# Altium PCB 5607-2.PcbDoc (part 2 of 6) (continued)
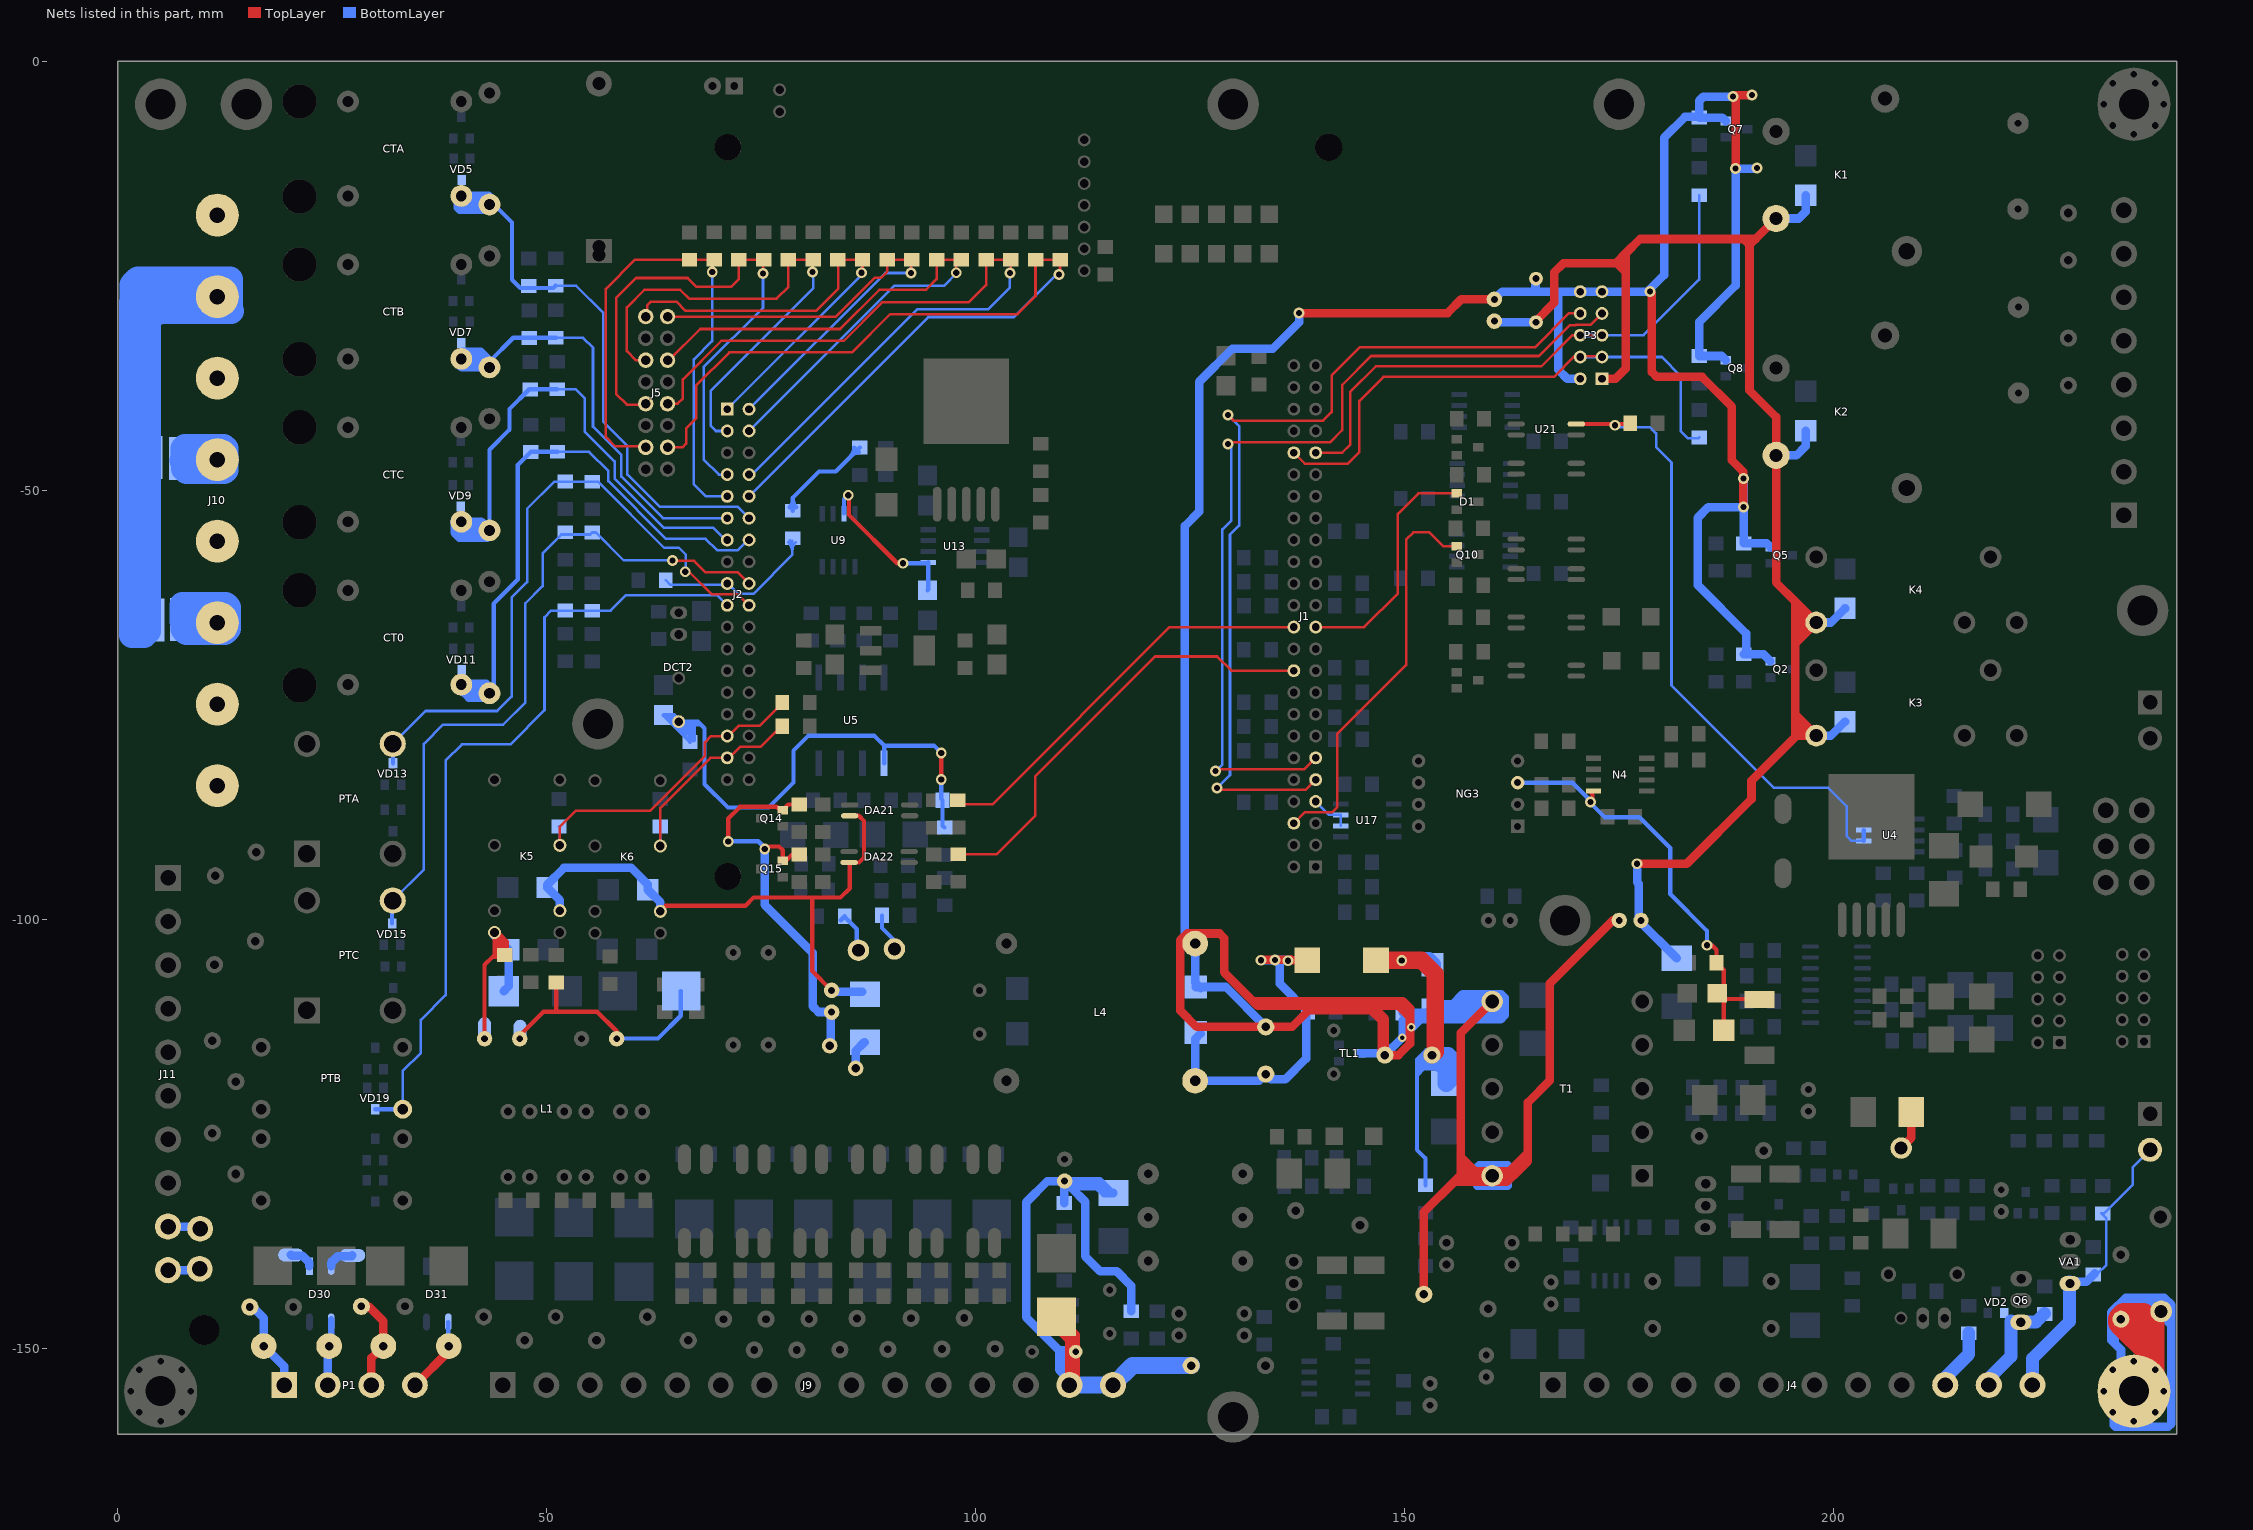
[diagram p2: the nets of this part, all layers, seen from the top]
## Nets (pads, with @x,y where several pads share a name; then routed paths per layer and width w, separated by ;. In a path a pad name is that pad's centre, name@x,y a point inside that pad or via, vN(x,y) a via of type N, cw(c..) or ccw(c..) an arc to the next point about the centre after c; other vN are vias at no path point) (continued)
  BottomLayer w1: C34.1@160.452,-30.277 160.579,-30.404 C8.1@165.303,-30.404 ; v1@177.114,-93.65 177.114,-95.682 177.267,-95.834 177.267,-100.095 D14.2@181.712,-104.54 ; K2.3@193.294,-45.923 195.656,-45.923 196.723,-44.857 D27.2@196.723,-43.042 ; K1.3@193.294,-18.313 195.936,-18.313 196.723,-17.526 D26.2@196.723,-15.584 ; K3.4@197.968,-78.588 199.683,-78.588 D19.2@201.32,-76.951 ; K4.4@197.968,-65.405 199.683,-65.405 D29.2@201.32,-63.768
485_TEN: R83.1 U4.2 U4.3 U21.4 | length 75.3
  TopLayer w0.3: v1@174.066,-42.317 v1@174.193,-42.443 ; R83.1@176.022,-42.418 R83.1@176.276,-42.164
  TopLayer w0.5: U21.4@169.997,-42.266 R83.1@176.022,-42.266
  BottomLayer w0.3: v1@174.193,-42.443 v1@174.447,-42.189 ; v1@174.574,-42.647 178.587,-42.647 179.314,-43.374 179.314,-44.974 181.102,-46.761 181.102,-72.719 193.071,-84.688 199.369,-84.688 201.524,-86.843 201.524,-90.297 202.082,-90.856 U4.2@203.504,-90.856
  BottomLayer w0.5: U4.2@203.504,-90.856 U4.3@203.504,-89.586
  other v1: 174.523,-42.418
7606_I0: C65.1 CT0.4 J2.14 R107.2 VD11.3 | length 74.2
  BottomLayer w0.3: C65.1@51.257,-45.517 54.94,-45.517 57.175,-47.752 57.175,-48.92 63.906,-55.651 68.529,-55.651 69.858,-56.98 72.281,-56.98 73.481,-55.78 J2.14@73.584,-55.78
  BottomLayer w0.5: CT0.4@43.129,-73.711 CT0.4@43.268,-73.711 ; CT0.4@43.166,-73.812 CT0.4@43.268,-73.711 ; C65.1@51.257,-45.517 48.158,-45.517 R107.2@48.133,-45.542 46.634,-47.04 46.634,-60.401 43.815,-63.221 43.815,-73.164 CT0.4@43.326,-73.652 CT0.4@43.268,-73.711
  BottomLayer w1: CT0.4@42.596,-73.508 CT0.4@40.31,-73.508 ; CT0.4@42.723,-74.168 42.697,-74.143 40.945,-74.143 CT0.4@40.31,-73.508 ; CT0.4@43.155,-72.771 42.951,-72.568 42.316,-72.568 ; CT0.4@40.043,-73.203 40.043,-73.241 CT0.4@40.31,-73.508 ; CT0.4@40.043,-73.203 CT0.4@40.043,-72.652 40.048,-72.652 40.132,-72.568 42.316,-72.568 ; CT0.4@40.043,-73.203 39.929,-73.203 40.234,-73.508 CT0.4@40.31,-73.508 ; CT0.4@40.043,-73.203 41.681,-73.203 42.316,-72.568
7606_IA: C41.1 CTA.4 J2.12 R94.2 VD5.3 | length 71.9
  BottomLayer w0.3: C41.1@51.029,-26.162 53.442,-26.162 56.566,-29.286 56.566,-41.961 59.411,-44.806 59.411,-48.158 63.152,-51.9 72.244,-51.9 J2.12@73.584,-53.24
  BottomLayer w0.5: CTA.4@43.764,-16.586 43.967,-16.789 45.949,-18.771 45.949,-25.451 46.914,-26.416 50.775,-26.416 C41.1@51.029,-26.162
  BottomLayer w1: CTA.4@40.284,-16.51 43.536,-16.51 43.891,-16.866 43.967,-16.789 43.967,-16.383 43.264,-15.68 CTA.4@40.043,-15.68 39.649,-16.074 39.649,-17.069 39.878,-17.297 CTA.4@42.875,-17.297
7606_IB: C44.1 CTB.4 J2.11 R96.2 VD7.3 | length 59.9
  BottomLayer w0.3: C44.1@51.079,-32.218 54.24,-32.218 55.397,-33.376 55.397,-42.57 58.699,-45.872 58.699,-48.387 63.552,-53.24 J2.11@71.044,-53.24
  BottomLayer w0.5: CTB.4@40.043,-34.671 CTB.4@40.843,-34.671 ; CTB.4@43.241,-35.585 CTB.4@43.326,-35.671 43.326,-35.585 43.326,-34.982 46.09,-32.218 C44.1@51.079,-32.218
  BottomLayer w1: CTB.4@40.843,-34.671 41.758,-35.585 43.241,-35.585 CTB.4@43.326,-35.585 ; CTB.4@42.469,-35.255 42.443,-35.255 41.453,-34.265 41.453,-33.858 ; CTB.4@43.282,-35.255 43.256,-35.255 43.256,-34.823 42.291,-33.858 41.453,-33.858 ; CTB.4@43.326,-35.671 40.09,-35.671 39.929,-35.509 39.929,-34.087 40.157,-33.858 41.453,-33.858
7606_IC: C47.1 CTC.4 J2.13 R103.2 VD9.3 | length 70.6
  BottomLayer w0.3: C47.1@51.206,-38.223 53.387,-38.223 54.458,-39.294 54.458,-43.18 57.912,-46.634 57.912,-48.616 63.678,-54.381 69.418,-54.381 70.817,-55.78 J2.13@71.044,-55.78
  BottomLayer w0.5: CTC.4@43.326,-54.661 43.326,-45.269 45.669,-42.926 45.669,-40.513 47.959,-38.223 C47.1@51.206,-38.223
  BottomLayer w1: CTC.4@39.319,-53.492 39.268,-53.543 39.268,-54.966 ; CTC.4@40.107,-54.483 CTC.4@40.865,-54.483 ; 40.792,-55.042 40.716,-54.966 39.268,-54.966 ; CTC.4@42.672,-55.143 41.525,-55.143 CTC.4@40.865,-54.483 ; CTC.4@43.326,-54.661 43.155,-54.833 43.155,-55.423 43.078,-55.499 39.802,-55.499 39.268,-54.966 ; CTC.4@40.865,-54.483 CTC.4@40.043,-53.661 42.384,-53.661 43.028,-54.305 43.028,-55.067 42.977,-55.118 42.342,-54.483 CTC.4@40.865,-54.483
7606_U0: J2.17 R12.2 R19.2 | length 22.2
  BottomLayer w0.3: R12.2@63.881,-60.477 64.389,-60.985 70.79,-60.985 J2.17@70.891,-60.884 ; J2.17@70.993,-60.985 J2.17@71.095,-60.985 ; J2.17@71.095,-60.909 71.095,-60.96 71.492,-61.357 71.644,-61.357 72.347,-62.06 74.081,-62.06 78.638,-57.502 R19.2@78.638,-55.88 ; R19.2@78.13,-56.035 cw(c76.901,-57.263) 78.638,-57.263 ; R19.2@78.342,-55.822 cw(c77.625,-56.539) 78.638,-56.539 ; 78.638,-57.025 cw(c80.04,-57.025) R19.2@79.049,-56.035
7606_UA: C74.1 J2.20 PTA.1 R110.2 VD13.3 | length 76
  TopLayer w0.3: v1(66.142,-59.487) 66.599,-59.487 69.24,-62.128 72.312,-62.128 J2.20@73.584,-63.4
  BottomLayer w0.3: PTA.1@32.004,-79.832 32.08,-79.908 32.08,-79.578 PTA.1@32.055,-79.553 32.08,-79.527 35.89,-75.717 44.221,-75.717 45.911,-74.028 45.911,-62.496 47.727,-60.681 47.727,-52.146 50.883,-48.99 C74.1@55.296,-48.99 55.975,-48.99 63.678,-56.693 65.405,-56.693 66.218,-57.506 66.218,-59.411 v1(66.142,-59.487)
  BottomLayer w0.5: PTA.1@31.877,-79.248 32.08,-79.451 32.08,-79.527 PTA.1@32.08,-79.578 ; VD13.3@32.08,-81.808 PTA.1@32.08,-79.908
7606_UB: C76.1 J2.19 PTB.1 R114.2 VD19.3 | length 93.5
  BottomLayer w0.3: VD19.3@30.023,-122.129 VD19.3@30.028,-122.123 ; PTB.1@33.213,-122.123 33.213,-117.686 35.331,-115.568 35.331,-111.735 38.227,-108.839 38.227,-81.483 40.107,-79.604 45.769,-79.604 49.746,-75.626 49.746,-64.808 50.523,-64.031 C76.1@55.296,-64.031 57.432,-64.031 59.258,-62.205 69.848,-62.205 J2.19@71.044,-63.4
  BottomLayer w0.5: VD19.3@30.028,-122.123 PTB.1@33.213,-122.123
7606_UC: C75.1 J2.18 PTC.1 R113.2 VD15.3 | length 82
  TopLayer w0.3: v1@64.821,-58.598 65.202,-58.217 67.183,-58.217 68.529,-59.563 72.287,-59.563 J2.18@73.584,-60.86
  BottomLayer w0.3: PTC.1@31.979,-97.892 PTC.1@32.055,-97.815 35.687,-94.183 35.687,-79.553 37.922,-77.317 44.933,-77.317 47.511,-74.739 47.511,-63.159 49.517,-61.153 49.517,-57.341 51.711,-55.147 55.059,-55.147 C75.1@55.296,-54.91 55.723,-54.91 58.979,-58.166 v1(64.643,-58.166)
  BottomLayer w0.5: VD15.3@31.979,-100.477 PTC.1@31.979,-97.892
+FV: C51.1 C52.1 D11.2 L2.1 R44.2 | length 59.2
  TopLayer w2: L2.1@146.646,-104.775 v1@149.631,-104.775 ; v1(149.657,-104.8) v1@149.631,-104.775 ; C51.1@153.187,-115.824 153.568,-115.443 153.568,-106.375 151.968,-104.775 v1@149.631,-104.775
  BottomLayer w0.5: R44.2@152.425,-130.988 152.425,-127.864 151.435,-126.873 151.435,-118.11 ; C51.1@152.806,-115.265 152.527,-115.265 151.46,-116.332 151.46,-116.942 ; C51.1@153.162,-115.621 152.781,-115.621 151.46,-116.942 ; C51.1@153.187,-115.824 152.159,-116.853 ; 153.949,-116.942 153.861,-116.853 152.159,-116.853 ; 154.026,-117.323 153.721,-117.018 152.552,-117.018 152.197,-117.373 ; 154.254,-117.45 154.178,-117.373 152.197,-117.373 ; 151.435,-118.11 151.46,-118.11 152.197,-117.373 ; 151.435,-118.11 151.435,-117.577 ; 151.435,-117.577 152.159,-116.853 ; 151.435,-117.577 151.435,-116.967 151.46,-116.942
  BottomLayer w2: v1(149.657,-104.8) 152.739,-104.8 C52.1@153.238,-105.3 ; C51.1@153.187,-115.824 C51.1@153.34,-115.976 ; C51.1@153.264,-116.053 C51.1@153.34,-115.976 ; C51.1@153.34,-115.976 154.839,-117.475 D11.2@154.839,-119.12 155.473,-118.485 155.473,-116.332 155.042,-115.9 153.416,-115.9 C51.1@153.34,-115.976
+FV_YX: C81.1 C82.1 C105.2 D13.2 D15.2 J9.14 J9.15 R130.2 R131.2 | length 114.2
  TopLayer w1: 110.922,-149.089 110.922,-149.098 ; J9.14@111.252,-154.61 J9.14@110.922,-154.28 110.922,-149.098 ; C82.1@111.709,-149.885 C82.1@111.633,-149.809 ; J9.14@111.785,-154.788 111.633,-154.635 111.633,-150.393 C82.1@111.633,-149.809 ; C105.2@124.857,-151.756 C105.2@125.12,-152.019 ; 110.922,-149.098 109.322,-147.498 109.322,-146.118 111.633,-148.429 C82.1@111.633,-149.809 ; 110.922,-149.098 C82.1@111.633,-149.809
  BottomLayer w1: R130.2@110.312,-133.071 110.312,-130.556 C81.1@110.363,-130.505 ; C82.1@111.785,-150.774 C82.1@111.658,-150.901 ; D15.2@115.85,-131.922 D15.2@115.824,-131.896 ; D15.2@116.053,-131.896 D15.2@115.824,-131.896 ; R131.2@118.11,-145.669 118.11,-142.697 116.434,-141.021 114.503,-141.021 112.776,-139.294 112.776,-132.918 111.163,-131.305 ; 109.715,-150.228 109.715,-152.519 J9.14@110.53,-153.334 ; 109.715,-150.228 105.887,-146.4 105.887,-132.974 108.356,-130.505 C81.1@110.363,-130.505 ; 109.715,-150.228 110.358,-150.228 ; 110.358,-150.228 110.358,-152.346 110.53,-152.518 J9.14@110.53,-153.334 ; 110.358,-150.228 110.409,-150.279 111.544,-150.279 C82.1@111.658,-150.393 C82.1@111.658,-150.556 ; C81.1@110.363,-130.505 111.163,-131.305 ; C81.1@110.363,-130.505 111.963,-130.505 ; J9.14@110.53,-153.334 J9.14@110.922,-153.725 ; J9.14@110.53,-153.334 110.53,-153.888 J9.14@110.922,-154.28 J9.14@110.922,-153.725 ; J9.14@110.922,-153.725 111.658,-152.989 C82.1@111.658,-150.901 ; J9.14@110.922,-153.725 110.922,-151.638 110.993,-151.567 ; 110.993,-151.567 C82.1@111.658,-150.901 ; 110.993,-151.567 110.993,-151.221 C82.1@111.658,-150.556 ; 111.163,-131.305 111.341,-131.127 ; 111.341,-131.127 114.236,-131.127 ; 111.341,-131.127 111.963,-130.505 ; C82.1@111.658,-150.901 C82.1@111.658,-150.556 ; 111.963,-130.505 113.614,-130.505 ; 113.614,-130.505 114.433,-130.505 D15.2@115.824,-131.896 ; 113.614,-130.505 114.236,-131.127 ; 114.236,-131.127 115.005,-131.896 D15.2@115.824,-131.896
  BottomLayer w2: J9.14@110.922,-154.28 J9.15@116.002,-154.28 118.262,-152.019 C105.2@125.12,-152.019
-5V: C2.2 U9.7 U13.5 | length 19.6
  TopLayer w0.5: v1(85.141,-50.571) 85.242,-50.673 85.242,-52.883 90.856,-58.496 v1(91.542,-58.496)
  BottomLayer w0.5: U9.7@84.658,-52.704 84.658,-51.054 v1(85.141,-50.571) ; v1(91.542,-58.496) 94.385,-58.496 U13.5@94.487,-58.395 94.487,-61.548 C2.2@94.386,-61.648
AC_CANYA_L: D46.1 pad.0@86.004,-117.373 | length 3.5
  BottomLayer w1: pad.0@86.004,-117.373 86.004,-115.331 87.004,-114.331 D46.1@87.078,-114.331
ADC123_IN3: J1.6 Q10.1 | length 47.3
  TopLayer w0.3: J1.6@137.084,-88.8 138.381,-87.503 141.58,-87.503 142.138,-86.944 142.138,-78.41 150.165,-70.383 150.165,-55.753 151.028,-54.889 152.883,-54.889 154.523,-56.53 Q10.1@156.078,-56.53
ADC123_IN4: J1.7 U17.6 U17.7 | length 4.8
  BottomLayer w0.3: J1.7@139.624,-86.26 141.197,-87.833 U17.7@142.544,-87.833 U17.6@142.544,-89.103
ADC123_IN8: J1.9 P3.8 | length 106.2
  TopLayer w0.3: v1(128.143,-84.684) 128.379,-84.92 138.424,-84.92 J1.9@139.624,-83.72 ; v1(129.388,-41.199) 130.069,-41.88 140.492,-41.88 141.478,-40.894 141.478,-36.601 144.755,-33.325 165.176,-33.325 169.121,-29.38 P3.8@170.46,-29.38
  BottomLayer w0.3: v1(128.143,-84.684) 129.642,-83.185 129.642,-55.169 130.708,-54.102 130.708,-42.52 v1(129.388,-41.199)
ADC123_IN9: J1.11 P3.7 | length 104.3
  TopLayer w0.3: v1(127.965,-82.728) 128.173,-82.52 138.284,-82.52 J1.11@139.624,-81.18 ; v1@129.388,-44.399 141.3,-44.399 142.723,-42.977 142.723,-37.719 146.101,-34.341 165.659,-34.341 169.266,-30.734 169.949,-30.734 169.963,-30.72 171.66,-30.72 P3.7@173,-29.38
  BottomLayer w0.3: v1(127.965,-82.728) 128.753,-81.94 128.753,-54.559 129.794,-53.518 129.794,-44.983 v1(129.388,-44.577)
BAT+: J4.12 JX1.2 R14.2 R27.2 VA1.3 | length 34.7
  BottomLayer w0.3: R14.2@230.835,-141.249 231.75,-140.335 231.75,-134.798 231.216,-134.264 231.496,-134.264 234.869,-130.891 234.869,-128.877 JX1.2@236.88,-126.865
  BottomLayer w1: VA1.3@227.482,-142.24 229.457,-142.24 R14.2@230.448,-141.249
  BottomLayer w1.5: J4.12@223.164,-154.28 223.164,-151.181 227.482,-146.863 VA1.3@227.482,-142.24
BAT-: J4.11 Q6.3 R28.1 VD2.1 | length 12.9
  BottomLayer w1.5: J4.11@218.084,-154.28 218.084,-153.518 220.65,-150.952 220.65,-146.837 220.751,-146.939 223.596,-146.939 224.587,-145.949 R28.1@224.579,-145.949
BAT_HHQ: D1.1 J1.23 | length 28.3
  TopLayer w0.3: J1.23@139.624,-65.94 145.261,-65.94 149.2,-62.001 149.2,-52.756 151.597,-50.358 D1.1@156.078,-50.358
BATT: J4.10 R20.1 | length 7.2
  BottomLayer w1.5: J4.10@213.004,-154.28 213.004,-153.441 215.748,-150.698 R20.1@215.748,-148.234
CANYA_GND: C78.2 pad.0@82.979,-114.732 Q14.2 Q15.2 R166.1 R174.1 | length 49.7
  TopLayer w0.5: v1(71.162,-90.907) 71.162,-88.243 72.512,-86.893 76.82,-86.893 77.191,-87.264 Q14.2@77.501,-87.264 78.151,-86.614 R166.1@79.451,-86.614 ; v1(75.413,-91.821) 75.616,-91.821 75.93,-91.507 77.08,-91.507 77.526,-91.953 77.526,-93.182 77.861,-93.182 78.587,-92.456 R174.1@79.451,-92.456 R174.1@79.578,-92.456
  BottomLayer w0.5: v1(71.162,-90.907) 74.655,-90.907 75.413,-91.664 v1(75.413,-91.821)
  BottomLayer w1: v1(75.413,-91.821) 75.413,-98.323 81.001,-103.911 81.001,-110.121 81.68,-110.801 82.959,-110.801 C78.2@83.095,-110.936 ; pad.0@82.979,-114.732 83.095,-114.616 C78.2@83.095,-110.936 ; C78.2@83.21,-110.82 C78.2@83.095,-110.936
CANYA_V+: C78.1 D28.2 D32.2 D46.2 DA21.4 DA22.4 K5.2 K6.2 | length 70.5
  TopLayer w0.5: K6.2@63.246,-99.069 63.89,-98.425 73.152,-98.425 74.117,-97.46 80.95,-97.46 ; C78.1@83.21,-108.28 80.95,-106.02 80.95,-97.46 ; DA22.4@85.248,-93.37 DA22.4@85.319,-93.37 ; DA21.4@85.298,-87.935 86.36,-87.935 86.97,-88.544 86.97,-92.812 86.411,-93.37 DA22.4@85.319,-93.37 ; 80.95,-97.46 84.252,-97.46 85.319,-96.393 DA22.4@85.319,-93.37
  BottomLayer w1: K5.2@51.537,-98.993 51.537,-97.776 D28.2@50.052,-96.292 50.052,-95.973 52.019,-94.005 59.868,-94.005 61.787,-95.924 D32.2@61.787,-96.546 63.246,-98.005 K6.2@63.246,-99.069 ; C78.1@83.21,-108.28 83.363,-108.433 D46.2@86.78,-108.433
CL_7606_I0: C104.1 J2.10 J5.14 R183.2 | length 109.2
  TopLayer w0.3: J5.14@64.084,-44.983 65.811,-44.983 66.243,-44.552 66.243,-42.774 67.412,-41.605 67.412,-37.795 71.298,-33.909 85.598,-33.909 90.043,-29.464 104.877,-29.464 106.974,-27.366 C104.1@106.974,-23.114 109.83,-23.114 R183.2@109.855,-23.139 109.83,-23.164 109.83,-24.714 v1(109.703,-24.841)
  BottomLayer w0.3: J2.10@73.584,-50.7 94.49,-29.794 104.445,-29.794 109.398,-24.841 v1(109.703,-24.841)
CL_7606_IA: C101.1 J2.7 J5.9 R180.2 | length 66
  TopLayer w0.3: J5.9@61.544,-39.903 61.443,-40.005 59.334,-40.005 58.09,-38.76 58.09,-27.584 60.427,-25.248 66.421,-25.248 67.462,-26.289 71.476,-26.289 72.406,-25.359 R180.2@72.406,-23.139 C101.1@75.262,-23.139 ; v1(75.209,-24.74) 75.262,-24.687 C101.1@75.262,-23.139 ; C101.1@75.287,-23.114 C101.1@75.262,-23.139
  BottomLayer w0.3: J2.7@71.044,-48.16 70.055,-48.16 68.301,-46.406 68.301,-35.636 75.209,-28.727 v1(75.209,-24.74)
CL_7606_IB: C102.1 J2.8 J5.10 R181.2 | length 92.7
  TopLayer w0.3: J5.10@64.084,-39.903 65.253,-39.903 65.862,-39.294 65.862,-37.059 70.358,-32.563 84.633,-32.563 89.103,-28.092 99.187,-28.092 101.213,-26.067 101.213,-23.139 104.069,-23.139 R181.2@104.094,-23.114 ; v1(103.988,-24.663) 104.069,-24.582 104.069,-23.164 R181.2@104.094,-23.139
  BottomLayer w0.3: J2.8@73.584,-48.16 73.938,-48.16 93.218,-28.88 101.473,-28.88 103.988,-26.365 v1(103.988,-24.663)
CL_7606_IC: C103.1 J2.9 J5.13 R182.2 | length 68.1
  TopLayer w0.3: J5.13@61.544,-44.983 61.443,-44.882 57.988,-44.882 56.89,-43.783 56.89,-26.524 60.3,-23.114 C103.1@69.525,-23.114 69.291,-23.348 v1(69.291,-24.536)
  BottomLayer w0.3: v1(69.291,-24.536) 69.291,-32.614 67.158,-34.747 67.158,-49.301 68.556,-50.7 J2.9@71.044,-50.7
CL_7606_U0: C100.1 J2.4 J5.6 R179.2 | length 74.1
  TopLayer w0.3: J5.6@64.084,-34.823 64.262,-34.823 67.894,-31.191 84.201,-31.191 88.773,-26.619 94.209,-26.619 95.453,-25.375 95.453,-23.141 95.451,-23.139 R179.2@98.307,-23.139 ; v1(97.739,-24.638) 97.739,-23.707 R179.2@98.307,-23.139 ; R179.2@98.332,-23.114 R179.2@98.307,-23.139
  BottomLayer w0.3: J2.4@73.584,-43.08 90.502,-26.162 96.317,-26.162 97.841,-24.638 v1(97.739,-24.638)
CL_7606_UA: C31.1 J2.1 J5.1 R43.2 | length 55.5
  TopLayer w0.3: J5.1@61.544,-29.743 61.722,-29.566 61.722,-28.423 62.128,-28.016 65.126,-28.016 66.192,-29.083 81.382,-29.083 83.998,-26.467 83.998,-23.183 83.929,-23.114 86.784,-23.114 86.797,-23.126 C31.1@86.809,-23.139 ; v1(86.69,-24.638) 86.809,-24.519 C31.1@86.809,-23.139 ; C31.1@86.809,-23.114 C31.1@86.809,-23.139
  BottomLayer w0.3: J2.1@71.044,-40.54 v1@86.818,-24.766
CL_7606_UB: C98.1 J2.2 J5.2 R177.2 | length 59.1
  TopLayer w0.3: J5.2@64.084,-29.743 83.693,-29.743 88.24,-25.197 89.002,-25.197 89.713,-24.486 89.713,-23.161 89.69,-23.139 R177.2@92.546,-23.139 ; v1(92.456,-24.663) 92.456,-23.229 R177.2@92.546,-23.139 ; R177.2@92.571,-23.114 R177.2@92.546,-23.139
  BottomLayer w0.3: J2.2@73.584,-40.54 89.46,-24.663 v1(92.456,-24.663)
CL_7606_UC: C99.1 J2.3 J5.5 R178.2 | length 61
  TopLayer w0.3: J5.5@61.544,-34.823 60.376,-34.823 59.334,-33.782 59.334,-28.666 61.381,-26.619 65.557,-26.619 66.599,-27.661 76.81,-27.661 78.156,-26.314 78.156,-23.15 R178.2@78.167,-23.139 C99.1@81.023,-23.139 ; v1(80.975,-24.536) 80.975,-23.187 C99.1@81.023,-23.139 ; C99.1@81.048,-23.114 C99.1@81.023,-23.139
  BottomLayer w0.3: J2.3@71.044,-43.08 69.725,-43.08 69.113,-42.469 69.113,-38.405 81.051,-26.467 81.051,-24.613 v1(80.975,-24.536)
CLCLS: J1.40 P3.3 P3.4 R95.1 | length 66.8
  TopLayer w0.3: J1.40@137.084,-45.62 138.352,-46.888 143.383,-46.888 144.729,-45.542 144.729,-39.573 147.523,-36.779 167.386,-36.779 169.799,-34.366 172.906,-34.366 P3.3@173,-34.46
  BottomLayer w0.3: P3.4@170.46,-34.46 P3.3@173,-34.46 179.977,-34.46 182.169,-36.652 182.169,-43.078 183.032,-43.942 184.226,-43.942 R95.1@184.328,-43.84
CLTRIP: J1.39 P3.5 P3.6 R85.1 | length 69.1
  TopLayer w0.3: J1.39@139.624,-45.62 142.721,-45.62 143.662,-44.679 143.662,-38.506 146.634,-35.535 165.938,-35.535 169.553,-31.92 P3.6@170.46,-31.92 P3.5@173,-31.92
  BottomLayer w0.3: P3.5@173,-31.92 177.859,-31.92 184.328,-25.451 R85.1@184.328,-15.595
  BottomLayer w0.5: P3.6@170.46,-31.92 P3.5@173,-31.92
CT0: J10.7
CT0N: J10.8
CTA: J10.1
CTAN: J10.2 pad.0@4.47,-65.1 pad.0@4.216,-46.177 | length 114.8
  BottomLayer w3: 2.235,-27.457 1.651,-28.042 1.651,-66.853 3.099,-66.853 3.556,-66.396 3.531,-66.37 3.531,-30.175 4.597,-29.108 13.183,-29.108 13.208,-29.083 13.106,-28.981 13.106,-25.4 2.337,-25.4 1.693,-26.044 1.693,-27.417 J10.2@11.612,-27.417
CTB: J10.3
CTBN: J10.4 pad.0@6.985,-46.279 | length 18.7
  BottomLayer w3: pad.0@7.544,-46.533 pad.0@7.66,-46.417 ; pad.0@7.823,-46.761 7.798,-46.761 7.772,-46.787 7.772,-47.371 7.696,-47.447 8.026,-47.777 12.395,-47.777 12.548,-47.625 12.548,-45.136 12.37,-44.958 7.823,-44.958 7.66,-45.121 pad.0@7.66,-46.417 ; J10.4@11.612,-46.417 pad.0@7.66,-46.417
CTC: J10.5
CTCN: J10.6 pad.0@7.065,-65.061 | length 21.2
  BottomLayer w3: pad.0@7.696,-65.38 pad.0@7.659,-65.417 ; J10.6@11.612,-65.417 pad.0@7.659,-65.417 ; pad.0@7.518,-64.77 7.645,-64.897 pad.0@7.645,-65.403 ; pad.0@7.518,-64.77 7.518,-65.276 pad.0@7.645,-65.403 ; pad.0@7.518,-64.77 7.518,-63.322 12.573,-63.322 12.878,-63.627 12.878,-66.142 12.471,-66.548 8.001,-66.548 7.645,-66.192 pad.0@7.645,-65.403 ; pad.0@7.645,-65.403 pad.0@7.659,-65.417
CY_5V: C93.1 C94.2 N4.8 NG3.3 R29.1 VD28.2 | length 54.2
  TopLayer w0.5: v1(171.679,-86.335) 171.348,-86.335 171.882,-85.801 171.882,-85.395 171.552,-85.065 171.982,-85.065 N4.8@172.008,-85.039 ; v1(185.242,-103.022) 185.801,-103.022 186.334,-103.556 C94.2@186.334,-105.054 187.187,-105.907 VD28.2@187.187,-112.903 VD28.2@187.554,-112.903 ; C93.1@186.433,-108.61 186.976,-108.068 186.976,-109.125 187.147,-109.296 190.754,-109.296 R29.1@191.11,-109.652
  BottomLayer w0.5: NG3.3@163.17,-84.074 169.545,-84.074 171.298,-85.827 171.298,-86.081 173.304,-88.087 177.343,-88.087 180.95,-91.694 180.95,-97.053 185.242,-101.346 v1(185.242,-103.022)
CY_12V: D2.1 pad.0@207.864,-126.664 | length 4.7
  TopLayer w1: pad.0@207.864,-126.664 209.048,-125.48 D2.1@209.048,-122.479
CY_CLR_OUT_FW: J1.24 R159.2 | length 47.7
  TopLayer w0.3: R159.2@97.917,-86.589 101.955,-86.589 122.604,-65.94 J1.24@137.084,-65.94
CY_CLR_OUT_RW: J1.20 R169.2 | length 52.1
  TopLayer w0.3: R169.2@97.942,-92.431 102.438,-92.431 106.934,-87.935 106.934,-83.337 120.904,-69.367 128.143,-69.367 129.796,-71.02 J1.20@137.084,-71.02
CY_DC+: D30.1 pad.35 | length 2.9
  BottomLayer w1: pad.35@20.193,-139.116 20.293,-139.216 21.521,-139.216 22.342,-140.037 D30.1@22.342,-140.437
CY_DC+_LINK: C87.1 C89.1 pad.38 R161.2 VD4.2 | length 29.1
  TopLayer w0.5: C89.1@46.881,-113.741 46.881,-113.52 49.632,-110.769 55.88,-110.769 58.159,-113.048 C87.1@58.159,-113.894 ; 51.105,-110.744 R161.2@51.105,-107.493
  BottomLayer w0.5: C87.1@58.159,-113.894 62.967,-113.894 65.625,-111.235 VD4.2@65.625,-108.357
CY_DC-: D30.3 pad.36 | length 3.2
  BottomLayer w1: D30.3@24.882,-140.437 24.882,-140.037 25.651,-139.267 27.256,-139.267 pad.36@27.356,-139.167
CY_DC-_LINK: C89.2 K5.16 pad.37 R165.1 VD23.1 VD24.2 | length 27.5
  TopLayer w0.5: C89.2@42.756,-113.919 42.756,-105.301 43.675,-104.381 ; K5.16@43.917,-101.533 43.917,-104.14 ; R165.1@44.602,-104.47 44.577,-104.496 44.552,-104.496 44.437,-104.381 43.675,-104.381 ; R165.1@44.983,-104.064 44.907,-104.14 43.917,-104.14 ; 43.675,-104.381 43.917,-104.14
  TopLayer w1: K5.16@43.917,-101.533 44.649,-102.265 ; R165.1@44.247,-103.759 44.649,-103.357 44.649,-102.265 ; R165.1@45.085,-104.191 R165.1@45.085,-104.165 45.085,-102.701 44.649,-102.265
  BottomLayer w1: K5.16@43.917,-101.533 43.917,-101.919 VD23.1@45.554,-103.556 45.554,-107.82 VD24.2@44.992,-108.382
CY_TEST_FW: C88.2 J2.31 K5.5 R175.1 | length 37.2
  TopLayer w0.3: K5.5@51.537,-91.373 51.537,-89.205 53.416,-87.325 62.093,-87.325 68.428,-80.99 68.428,-79.375 69.163,-78.64 J2.31@71.044,-78.64 71.169,-78.64 72.39,-77.419 74.854,-77.419 R175.1@77.419,-74.854
  BottomLayer w0.3: C88.2@51.435,-89.179 51.537,-89.281 K5.5@51.537,-91.373
CY_TEST_RW: C91.2 J2.33 K6.5 R176.1 | length 24.7
  TopLayer w0.3: K6.5@63.246,-91.449 63.246,-87.02 69.086,-81.18 J2.33@71.044,-81.18 71.271,-81.18 72.542,-79.908 74.93,-79.908 77.038,-77.8 R176.1@77.419,-77.8
  BottomLayer w0.3: K6.5@63.246,-91.449 C91.2@63.246,-89.179
CY_U1_L: P1.1 R160.1 RV1.2 | length 11
  BottomLayer w1: R160.1@15.469,-144.932 17.018,-146.482 RV1.2@17.018,-149.733 19.406,-152.121 P1.1@19.406,-154.28
CY_U1_N: D30.4 P1.2 RV1.1 | length 7.8
  BottomLayer w0.8: RV1.1@24.882,-149.489 D30.4@24.882,-146.645
  BottomLayer w1: P1.2@24.486,-154.28 24.486,-149.885 RV1.1@24.638,-149.733 RV1.1@24.882,-149.489
CY_U2_L: P1.3 R167.1 RV3.2 | length 10.4
  TopLayer w1: R167.1@29.312,-145.186 30.963,-146.837 RV3.2@30.963,-149.733 29.566,-151.13 P1.3@29.566,-154.28
CY_U2_N: D31.4 P1.4 RV3.1 | length 9
  TopLayer w1: P1.4@34.646,-154.28 38.583,-150.343 RV3.1@38.583,-149.733
  BottomLayer w0.5: D31.4@38.532,-146.937 38.532,-149.682 RV3.1@38.583,-149.733
E0+: J11.9 L1.3 | length 3.8
  BottomLayer w1: J11.9@5.867,-135.814 9.347,-135.814 L1.3@9.601,-136.068
E0-: J11.10 L1.1 | length 3.7
  BottomLayer w1: J11.10@5.867,-140.894 9.398,-140.894 L1.1@9.55,-140.741
EARTH: C106.1 pad.0@231.5,-155 pad.24@231.5,-155 pad.25@232.525,-157.475 pad.26@235,-158.5 pad.27@237.475,-157.475 pad.28@238.5,-155 pad.29@237.475,-152.525 pad.30@235,-151.5 pad.31@232.525,-152.525 pad.HGROUND RV2.1 | length 81.5
  TopLayer w1: pad.HGROUND@235,-155 pad.HGROUND@237.058,-152.942 ; 237.058,-147.229 RV2.1@238.176,-146.111
  TopLayer w3: 236.067,-146.238 233.848,-146.238 C106.1@233.477,-146.609 233.477,-146.964 237.058,-150.546 ; pad.HGROUND@237.058,-152.942 237.058,-150.546 ; 237.058,-147.229 237.058,-150.546
  BottomLayer w1: pad.HGROUND@232.625,-157.575 232.625,-158.94 232.812,-159.127 239.022,-159.127 239.356,-158.793 239.356,-147.291 ; C106.1@233.477,-146.609 C106.1@233.668,-146.609 ; pad.HGROUND@235,-155 233.494,-153.494 233.494,-150.162 232.738,-149.405 ; pad.HGROUND@236.756,-155 236.756,-156.442 pad.HGROUND@237.247,-156.932 ; 232.738,-149.405 232.738,-147.618 233.668,-146.688 C106.1@233.668,-146.609 ; 232.738,-149.405 232.359,-149.027 232.359,-145.796 234.061,-144.094 238.519,-144.094 239.356,-144.931 239.356,-147.291 ; C106.1@233.668,-146.609 233.668,-145.676 234.52,-144.824 235.227,-144.824 235.308,-144.905 236.969,-144.905 RV2.1@237.759,-145.694 ; C106.1@233.668,-146.609 C106.1@233.747,-146.609 ; C106.1@233.747,-146.609 236.845,-146.609 RV2.1@237.759,-145.694 ; C106.1@233.747,-146.609 234.662,-145.694 RV2.1@237.759,-145.694 ; RV2.1@237.759,-145.694 RV2.1@238.176,-145.694 238.176,-146.111 239.356,-147.291
EPT0+: L1.4 R30.2 | length 4.5
  BottomLayer w0.5: R30.2@89.078,-99.543 89.078,-101.016 90.526,-102.464 L1.4@90.526,-103.454
EPT0-: L1.2 R84.2 | length 5.3
  BottomLayer w0.5: R84.2@84.272,-100.101 R84.2@84.729,-99.644 84.729,-99.744 86.152,-101.167 86.152,-103.424 L1.2@86.335,-103.607
EPT0_VOUT: R19.1 R55.2 | length 15.9
  BottomLayer w0.5: R19.1@78.3,-51.986 ccw(c77.361,-51.047) 78.689,-51.047 ccw(c80.017,-51.047) R19.1@79.078,-51.986 ; R19.1@78.689,-52.375 78.689,-50.85 81.737,-47.802 83.694,-47.802 R55.2@86.487,-45.009 ; 85.377,-46.119 ccw(c84.268,-45.009) R55.2@85.837,-45.009 ; 85.619,-45.877 cw(c86.387,-46.645) R55.2@86.387,-45.559
EPT_5V: C6.1 C7.2 C28.1 DCT2.4 R52.1 U5.1 | length 73.7
  TopLayer w0.5: v1(95.987,-83.693) v1(95.987,-80.594)
  BottomLayer w0.5: DCT2.4@65.38,-76.962 DCT2.4@65.608,-76.962 ; 66.345,-78.334 C6.1@64.209,-76.197 ; 66.37,-77.241 66.446,-77.241 66.7,-77.495 ; C7.2@66.7,-79.324 C7.2@66.7,-79.271 ; C7.2@67.132,-79.121 67.158,-79.096 67.158,-77.394 ; U5.1@89.332,-81.81 89.332,-79.756 ; v1(95.987,-83.693) 95.987,-85.954 C28.1@96.139,-86.106 96.139,-89.078 R52.1@96.368,-89.307 ; v1(95.987,-80.594) 95.148,-79.756 89.332,-79.756 ; C6.1@64.209,-76.197 C6.1@63.627,-76.197 C7.2@66.7,-79.271 ; C6.1@64.209,-76.197 64.844,-76.197 DCT2.4@65.608,-76.962 ; DCT2.4@65.608,-76.962 66.7,-78.054 ; DCT2.4@65.608,-76.962 66.777,-76.962 ; C7.2@66.7,-79.271 66.7,-78.054 ; 66.7,-78.054 66.7,-77.495 ; 66.7,-77.495 66.7,-77.419 ; 66.7,-77.419 67.158,-76.962 ; 66.7,-77.419 66.7,-77.038 66.777,-76.962 ; 66.777,-76.962 67.158,-76.962 ; 67.158,-77.394 67.297,-77.254 67.932,-77.254 ; 67.158,-77.394 67.158,-76.962 ; 67.158,-76.962 67.64,-76.962 67.932,-77.254 ; 67.932,-77.254 68.402,-77.724 68.402,-84.252 71.12,-86.97 75.844,-86.97 78.765,-84.049 78.765,-80.34 80.518,-78.588 88.163,-78.588 89.332,-79.756